# KiCad board board_deltaRenumBack.kicad_pcb (continued)
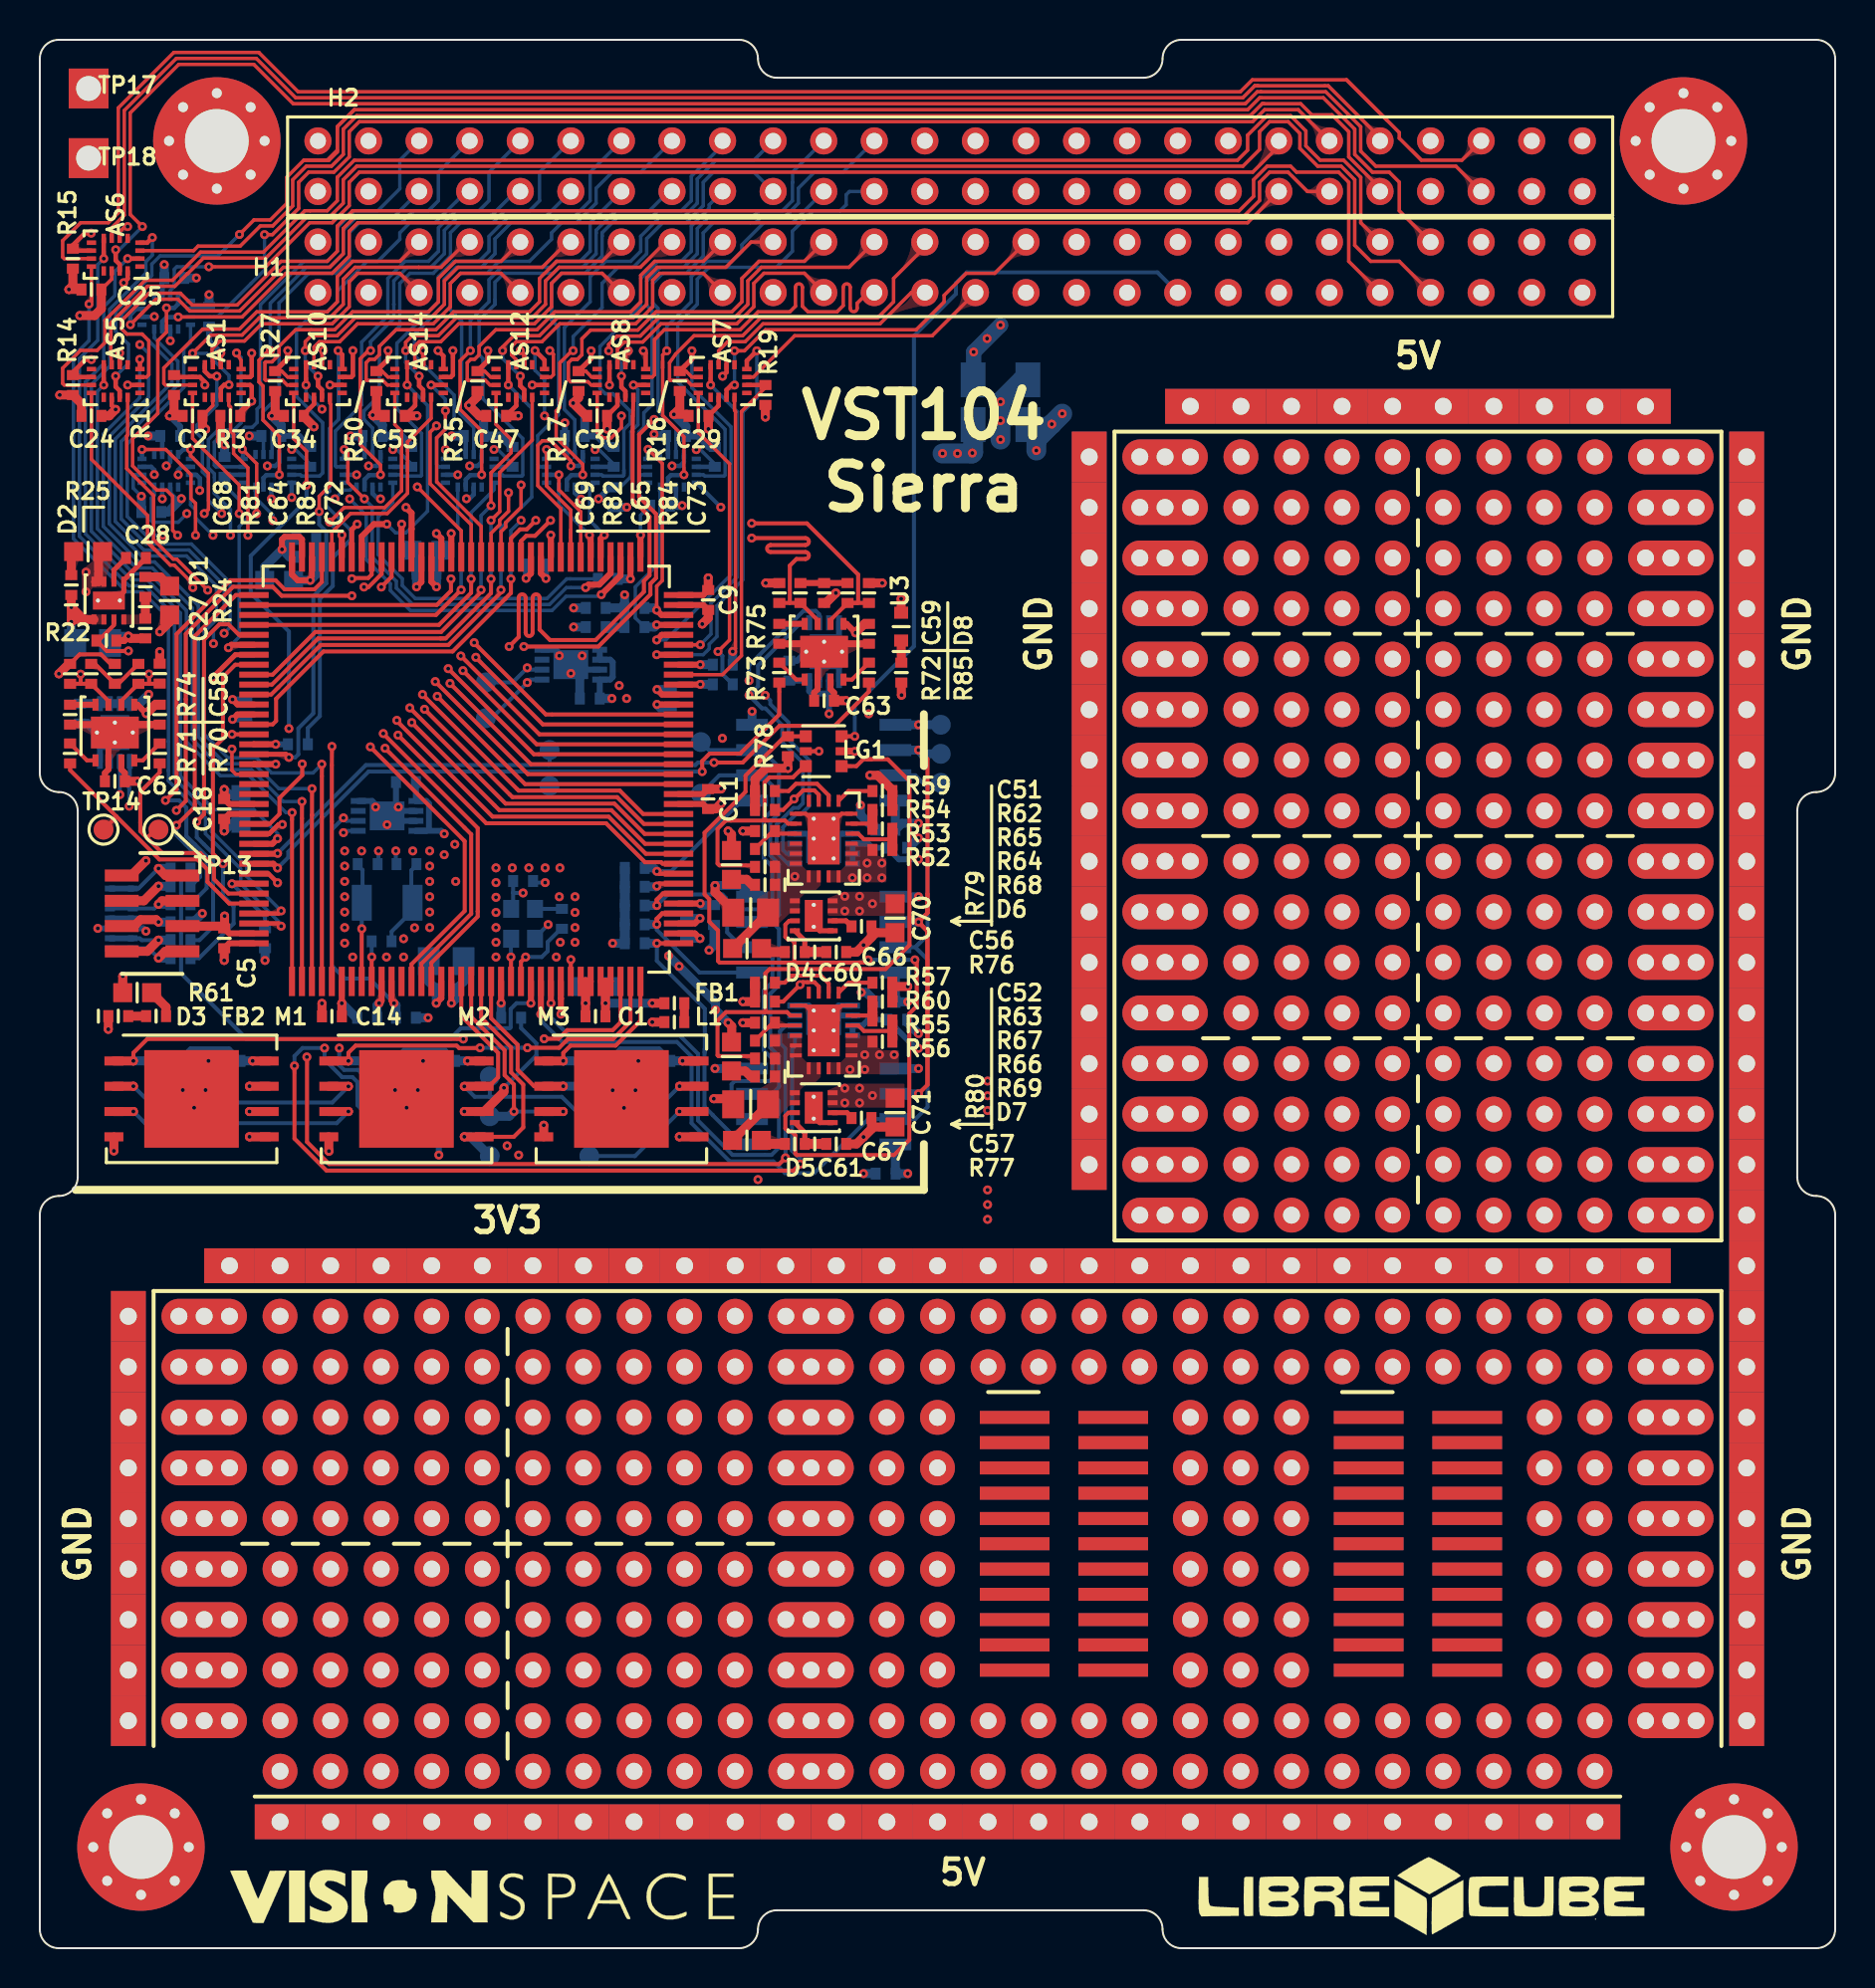
[diagram p0: board, top side]
## Routing (per net, layer and track width the routed paths; a pad name or vN(x,y) marks a point on that pad's centre or on a via; arc(x,y) is an arc through that point) (continued)
UART_RCS_2_TX: length 20.1
  Bottom w0.173: AS13.15 28.21,74.03 28.28,73.97 29.29,73.97 29.33,74.01 29.33,74.26 ; 29.33,74.26 29.33,74.11 ; 29.33,74.26 29.33,76.3 29.65,76.62 29.65,77.23 28.78,78.1 28.4,78.1 28.13,78.37 28.13,80.47 30.18,82.52 30.18,83.9 31.04,84.76 32.22,84.76 32.72,85.26 32.72,86.53 33.62,87.43 33.62,87.59 H2.17
USER_1_1: length 13.9
  Top w0.173: AS1.3 8.65,79.91 8.65,80.36 9.04,80.75 10.28,80.75 11.14,81.62 14.68,81.62 15.54,82.47 15.54,83.73 15.96,84.15 18.08,84.15 H1.5
USER_1_2: length 18.4
  Top w0.173: H1.6 18.08,84.76 15.71,84.76 14.94,83.99 14.94,82.72 14.44,82.22 10.9,82.22 10.03,81.35 8.18,81.35 6.23,79.4 6.23,78.62 6.31,78.54 AS1.7
USER_1_4: length 20.8
  Top w0.173: H1.8 21.42,85.72 20.15,84.45 19.04,84.45 19.03,84.46 15.83,84.46 15.24,83.86 15.24,82.6 14.56,81.92 11.02,81.92 10.15,81.05 8.59,81.05 v1(7.67,80.13)
  Top w0.225: AS1.11 9.09,78.38 9.26,78.55 v1(9.5,78.55)
  Bottom w0.173: v1(9.5,78.55) 9.5,79.02 8.39,80.13 v1(7.67,80.13) 7.75,80.13
USER_2_1: length 21.5
  Top w0.173: 11.11,79.89 11.01,79.79 11.01,78.69 11.21,78.49 11.21,76.78 12.03,75.96 v1(12.03,74.03) ; 11.11,79.89 11.49,80.27 v1(11.58,80.27) ; 11.11,79.89 11.36,80.14
  Bottom w0.173: H2.5 17.78,86.99 15.91,86.99 15.24,86.32 15.24,85.13 14.56,84.45 13.38,84.45 11.58,82.65 v1(11.58,80.27)
  Bottom w0.225: v1(12.03,74.03) 12.01,74.01 11.37,74.01 11.23,73.87 AS2.3
USER_2_2: length 24.1
  Bottom w0.173: H2.6 18.08,89.84 18.08,88.4 16.97,87.29 15.79,87.29 14.94,86.44 14.94,85.26 14.44,84.76 13.26,84.76 11.08,82.58 11.08,77.49 10.91,77.32 10.91,76.66 10.67,76.42 10.31,76.42 9.87,75.98 9.07,75.98 8.77,75.68 8.77,74.51 8.85,74.43 AS2.7
USER_2_4: length 22.7
  Bottom w0.173: AS2.11 11.67,75.08 11.67,76.32 11.21,76.78 11.21,77.2 12.01,78 12.01,82.66 13.5,84.15 14.85,84.15 15.54,84.85 15.54,86.19 16.04,86.69 18.16,86.69 18.76,87.3 19.52,87.3 20.02,87.8 20.02,89.23 H2.8
USER_3_1: length 69
  In2.Cu w0.173: v1(8.03,73.24) 8.31,73.52 8.31,75.64 7.85,76.1 7.85,79.24 8.45,79.84 8.45,80.16 9.02,80.73 10.81,80.73 11.39,81.32 14.81,81.32 15.7,82.21 16.94,82.21 17.48,82.74 17.48,85.76 19,87.28 57.05,87.28 58.12,86.21 58.12,85.86 59.83,84.15 61.26,84.15 H1.39
  Bottom w0.225: v1(8.03,73.24) 8.03,73.32 8.04,73.33 8.04,73.85 7.86,74.03 AS3.15
USER_3_2: length 72.2
  In2.Cu w0.173: H1.40 61.26,86.7 58.98,86.7 58.12,87.55 58.12,88.79 57.68,89.23 18.58,89.23 18.08,88.73 18.08,87.55 17.22,86.69 16.04,86.69 15.54,86.19 15.54,82.47 14.68,81.62 11.27,81.62 10.68,81.03 8.9,81.03 8.15,80.29 8.15,79.96 7.55,79.36 7.55,75.98 8.01,75.52 8.01,74.44 6.83,73.26 6.59,73.26 v1(6.15,72.82)
  Bottom w0.225: AS3.3 v1(6.15,72.82)
USER_3_3: length 75.8
  In2.Cu w0.173: v1(6.35,74.48) 6.35,75.58 7.02,76.25 7.02,80.13 8.22,81.33 10.56,81.33 11.14,81.92 14.56,81.92 15.24,82.6 15.24,86.31 15.92,86.99 17.1,86.99 17.78,87.68 17.78,88.85 18.46,89.54 57.96,89.54 58.42,89.07 58.42,87.68 59.1,87 63.07,87 63.8,86.27 63.8,84.15 H1.41
  Bottom w0.225: v1(6.35,74.48) 6.55,74.68 AS3.11
USER_3_4: length 74.9
  In2.Cu w0.173: H1.42 63.2,87.3 59.22,87.3 58.72,87.8 58.72,89.2 58.08,89.84 18.34,89.84 17.48,88.98 17.48,87.8 16.97,87.29 15.8,87.29 14.94,86.44 14.94,82.72 14.44,82.22 11.02,82.22 10.43,81.63 8.1,81.63 6.72,80.25 6.72,78.13 6.07,77.48 6.07,75.97 5.75,75.64 v1(5.75,74.04)
  Bottom w0.225: AS3.7 5.59,74.43 5.75,74.27 v1(5.75,74.04)
USER_4_1: length 59.9
  Top w0.173: H2.39 60.66,86.7 15.97,86.7 15.54,86.27 15.54,85.01 14.68,84.16 12.36,84.16 10.16,81.96 v1(6.95,81.96)
  Bottom w0.225: v1(6.95,81.96) 6.94,81.95 6.37,81.95 6.15,81.73 AS4.3
USER_4_2: length 60.4
  Top w0.173: H2.40 62.23,90.55 60.92,89.23 16.04,89.23 15.54,88.73 15.54,87.55 14.68,86.7 13.56,86.7 11.34,84.48 v1(8.49,84.48)
  Bottom w0.173: v1(8.49,84.48) 6.88,84.48 6.75,84.35 6.75,83.49 6.55,83.29 AS4.11
USER_4_3: length 68.5
  Top w0.173: v1(4.55,81.57) 5.18,82.2 5.18,82.2 ; 4.95,81.97 5.18,82.2 ; 5.18,82.2 5.83,82.85 6.94,82.85 7.53,82.26 10.04,82.26 12.23,84.46 14.56,84.46 15.24,85.14 15.24,86.4 15.83,87 60.45,87 61.26,87.81 61.26,88.73 61.76,89.23 62.7,89.23 63.66,88.26 H2.41
  Bottom w0.173: v1(4.55,81.57) 4.55,82.11 4.8,82.37 AS4.7
  Bottom w0.225: 4.65,82.18 4.84,82.37 AS4.7 ; 4.65,82.18 4.55,82.08 v1(4.55,81.57) ; 4.65,82.18 4.57,82.1
USER_4_4: length 64.8
  Top w0.173: H2.42 63.2,92.37 61.52,92.37 60.92,91.77 16.04,91.77 15.54,91.27 15.54,90 14.77,89.23 13.5,89.23 13,88.73 13,87.41 11.68,86.09 v1(11.29,86.09)
  Bottom w0.173: AS4.15 8.93,81.97 ; v1(11.29,86.09) 11.29,84.32 8.93,81.97 ; 8.93,81.97 9.01,82.05
USER_5_1: length 77.3
  Top w0.173: H1.43 65.74,84.76 65.74,88.73 65.24,89.23 63.12,89.23 62.82,89.53 61.64,89.53 60.96,88.85 60.96,88.02 60.24,87.3 15.71,87.3 14.94,86.53 14.94,85.26 14.44,84.76 12.11,84.76 9.91,82.56 7.65,82.56 7.06,83.15 5.48,83.15 4.11,81.78 4.11,81.36 4.37,81.1 5.14,81.1 5.47,80.77 5.47,79.06 5.36,78.94 AS5.15
USER_5_2: length 79.9
  Top w0.173: AS5.7 1.23,78.54 1.15,78.62 1.15,79.39 2.04,80.28 2.88,80.28 3.27,80.67 3.27,81.79 5.28,83.8 6.66,83.8 8.07,85.22 11.23,85.22 13.31,87.3 14.44,87.3 14.94,87.8 14.94,88.98 14.94,88.98 15.8,89.83 60.15,89.83 60.66,90.34 60.66,91.09 61.64,92.07 62.82,92.07 63.59,91.31 63.59,90.55 64.3,89.84 65.48,89.84 66.34,88.98 66.34,86.69 H1.44
USER_5_3: length 79.7
  Top w0.173: H1.45 68.28,84.76 66.84,84.76 66.04,85.56 66.04,88.85 65.36,89.53 64.18,89.53 63.29,90.43 63.29,91.18 62.7,91.77 61.76,91.77 61.26,91.27 61.26,90.37 60.42,89.53 15.92,89.53 15.24,88.85 15.24,87.68 14.56,87 13.43,87 11.35,84.92 8.21,84.92 7.42,84.13 7.41,84.13 6.78,83.5 5.41,83.5 3.57,81.67 3.57,80 AS5.3
USER_5_4: length 86.1
  Top w0.173: 14.94,91.52 14.94,90.25 14.52,89.83 13.26,89.83 ; 14.94,91.52 14.94,90.34 14.44,89.84 13.26,89.84 12.4,88.98 12.4,87.66 11.57,86.83 10.75,86.83 10.75,86.83 v1(10.03,86.1) ; 14.94,91.52 15.8,92.37 ; 14.94,91.52 15.8,92.37 ; 15.8,92.37 60.67,92.37 61.27,92.97 64.46,92.97 66.04,91.39 66.04,90.13 66.93,89.23 67.78,89.23 68.28,88.73 68.28,87.3 H1.46
  Top w0.225: AS5.11 4.01,78.25 3.81,78.45 v1(3.81,78.99)
  Bottom w0.173: v1(3.81,78.99) 4.45,79.63 4.45,80.6 3.81,81.24 3.81,82.22 5.63,84.04 5.63,84.61 6.04,85.03 8.95,85.03 v1(10.03,86.1)
USER_6_1: length 69.6
  Top w0.173: H2.43 67.31,88.43 65.74,90 65.74,91.27 64.89,92.11 63.88,92.11 63.33,92.67 61.48,92.67 ; 61.48,92.67 61.39,92.67 ; 61.48,92.67 61.39,92.67 ; 61.39,92.67 60.79,92.07 15.92,92.07 15.24,91.39 15.24,90.13 14.65,89.53 13.38,89.53 12.7,88.85 12.7,87.54 11.7,86.53 11.07,86.53 10.06,85.52 7.95,85.52 7.72,85.29 AS6.15
USER_6_2: length 73.3
  Top w0.173: 61.02,93.57 61.17,93.57 ; 61.02,93.57 61.17,93.57 ; 61.02,93.57 60.42,92.97 12.85,92.97 10.87,94.95 6.85,94.95 4.24,92.34 4.24,87.07 3.61,86.44 AS6.3 ; H2.44 67.31,90.97 64.71,93.57 61.17,93.57
USER_6_3: length 81.7
  Top w0.173: H2.47 71.12,89.53 67.1,89.53 66.34,90.29 66.34,91.52 64.58,93.27 61.14,93.27 60.54,92.67 12.73,92.67 10.75,94.65 6.98,94.65 4.54,92.21 4.54,87.11 v1(5.15,86.5)
  Top w0.225: v1(3.81,85.34) 3.81,84.8 4.01,84.6 AS6.11
  Bottom w0.173: v1(3.81,85.34) 3.99,85.34 v1(5.15,86.5)
USER_6_4: length 87.4
  Top w0.127: 67.65,91.86 67.65,91.82 ; 68.9,90.35 69.4,89.86
  Top w0.173: 67.65,91.86 65.63,93.87 ; 65.63,93.87 68.28,91.23 68.28,90.94 69.38,89.84 71.42,89.84 H2.48 ; 65.63,93.87 60.9,93.87 60.29,93.27 12.97,93.27 11,95.25 11,95.25 6.73,95.25 3.94,92.46 3.94,87.19 3.44,86.69 2.05,86.69 1.15,85.79 1.15,84.97 1.23,84.89 AS6.7
Net-(C27-Pad1): length 1.2
  Top w0.25: 5.25,66.76 C27.1
  Top w0.45: D1.1 C27.1
Net-(C28-Pad1): length 1.4
  Top w0.25: Q1.6 3.72,69.24 C28.1
Net-(C50-Pad2): length 4.4
  Bottom w0.2: C50.2 18.92,54.42 18.66,54.16 18.66,52.59 Y1.2 18.72,52.13 17.67,51.08 R49.1
Net-(C51-Pad1): length 3.4
  Top w0.2: C51.1 37.61,58.14 37.98,58.5 39.04,58.5 39.62,57.92 EF1.18
Net-(C52-Pad1): length 3.5
  Top w0.2: EF2.18 39.62,48.47 39.23,48.86 37.76,48.86 37.41,48.51 C52.1
Net-(C60-Pad1): length 2.4
  Top w0.25: Q2.4 38.42,50.62 D4.1
  Top w0.5: D4.1 C60.1
Net-(C61-Pad1): length 2.4
  Top w0.25: D5.1 38.42,40.98 Q3.4
  Top w0.5: D5.1 C61.1
Net-(C64-Pad2): length 3.3
  Top w0.2: R81.2 2.77,64.53 C64.2 3.95,63.53 R83.2
  Top w0.3: C64.2 3.67,63.53
Net-(C65-Pad2): length 2.4
  Top w0.3: R84.2 C65.2 R82.2
Net-(C66-Pad1): length 1.1
  Top w0.25: Q2.6 40.49,51.62 C66.1
  Top w0.3: C66.1 40.77,51.39
Net-(C67-Pad1): length 1.1
  Top w0.25: Q3.6 40.54,41.98 40.82,41.7
Net-(D1-Pad2): length 1.4
  Top w0.45: D1.2 6.06,68.9 6.52,68.44 6.5,68.43
Net-(D2-Pad2): length 1.2
  Top w0.45: R25.2 1.58,70.05 D2.2
Net-(D3-Pad2): length 0.9
  Top w0.45: FB2.2 D3.2
Net-(D4-Pad2): length 1.2
  Top w0.5: D4.2 36.42,50.05 36.25,50.23
Net-(D5-Pad2): length 1.3
  Top w0.5: D5.2 36.42,40.41 R77.1
Net-(D6-Pad2): length 1.3
  Top w0.45: R79.2 35.5,53.7 35.77,53.43 D6.2
Net-(D7-Pad2): length 1.6
  Top w0.45: D7.2 35.7,43.8 35.42,44.08 R80.2 ; 34.75,44.08 34.84,44.16 ; R80.2 34.87,44.2 ; R80.2 34.77,44.1
Net-(D8-Pad1): length 1.3
  Top w0.45: R85.2 D8.1 43.26,65.53
Net-(EF1-Pad3): length 2.5
  Top w0.2: EF1.3 37.05,56 R65.1 36.82,56.13 R64.2
Net-(EF1-Pad14): length 3.3
  Top w0.2: EF1.14 41.1,56 41.39,55.71 42.86,55.71
  Top w0.5: R52.2 R53.1
Net-(EF1-Pad15): length 2
  Top w0.2: EF1.15 41.78,56.5 41.82,56.54
  Top w0.5: R54.1 R53.2
Net-(EF1-Pad17): length 1.9
  Top w0.2: EF1.17 40.61,58.14 R59.2
Net-(EF2-Pad3): length 2.5
  Top w0.2: EF2.3 37.06,46.36 R67.1 36.82,46.5 R66.2
Net-(EF2-Pad14): length 3.2
  Top w0.2: 42.82,46.21 42.69,46.08 41.39,46.08 41.11,46.36 EF2.14
  Top w0.5: R56.1 42.82,45.66
Net-(EF2-Pad15): length 2.7
  Top w0.2: 41.57,46.86 EF2.15 41.67,46.86
  Top w0.5: R57.1 R56.2
Net-(EF2-Pad17): length 1.9
  Top w0.2: EF2.17 40.62,48.51 R60.2
Net-(ESD1-Pad1): length 4.8
  Top w0.45: JC1.2 6.31,53.89 v1(5.96,54.25)
  Bottom w0.2: ESD1.1 4.95,53.24 v1(5.96,54.25)
  Bottom w0.3: ESD1.1 ESD1.14
  Bottom w0.45: R43.1 v1(5.96,54.25)
Net-(ESD1-Pad5): length 9.4
  Top w0.45: v1(4.17,48.84) 4.17,48.83 R61.2 ; v1(5.33,54.64) 4.59,53.89 JC1.1
  In2.Cu w0.45: v1(4.17,48.84) 5.33,50 v1(5.33,51.1) v1(5.33,54.64)
  Bottom w0.3: ESD1.5 5.19,51.24 v1(5.33,51.1)
Net-(ESD1-Pad6): length 5.2
  Top w0.45: v1(5.96,50.65) 5.39,50.08 JC1.7
  Bottom w0.2: v1(5.96,50.65) 5.96,50.65 5.11,50.65 5.02,50.74 ESD1.6
  Bottom w0.3: ESD1.9 ESD1.6
  Bottom w0.45: R47.1 v1(5.96,50.65)
Net-(ESD1-Pad7): length 4.6
  Top w0.45: JC1.8 6.3,50.08 v1(5.96,49.75)
  Bottom w0.2: ESD1.7 5.47,50.24 v1(5.96,49.75)
  Bottom w0.3: ESD1.7 ESD1.8
  Bottom w0.45: v1(5.96,49.75) 5.97,49.74 R48.1
Net-(ESD1-Pad11): length 5.2
  Top w0.45: JC1.5 4.75,51.35 4.75,51.38 5.05,51.68 5.84,51.68 v1(5.96,51.56)
  Bottom w0.2: ESD1.4 5.78,51.74 v1(5.96,51.56)
  Bottom w0.3: ESD1.11 ESD1.4
  Bottom w0.45: R46.1 5.97,51.55 v1(5.96,51.56)
Net-(ESD1-Pad12): length 4.4
  Top w0.45: JC1.4 6.14,52.62 v1(5.96,52.45)
  Bottom w0.2: v1(5.96,52.45) 5.75,52.24 ESD1.3 ESD1.12
  Bottom w0.45: R45.1 v1(5.96,52.45)
Net-(ESD1-Pad13): length 6.1
  Top w0.45: JC1.3 5.23,52.62 v1(5.96,53.36)
  Bottom w0.2: ESD1.2 5.34,52.74 v1(5.96,53.36) 6.56,53.36 R44.1
  Bottom w0.3: ESD1.13 ESD1.2
  Bottom w0.45: R44.1 5.97,53.35 v1(5.96,53.36)
Net-(FB1-Pad1): length 0.9
  Top w0.45: FB1.1 L1.2
Net-(FB2-Pad1): length 1.5
  Top w0.45: R61.1 6.34,47.28 FB2.1
Net-(LG1-Pad4): length 45
  Top w0.2: v1(43.95,49.66) 44.04,49.57 44.04,47.33 43.67,46.96 43.67,40.62 42.9,39.85 38.02,39.85 37.94,39.93 37.94,40.85 37.75,41.04 37.59,41.04 37.44,41.19 37.44,41.82 37.6,41.98 Q3.3 ; Q2.3 37.64,51.62 37.44,51.43 37.44,50.81 37.58,50.67 37.75,50.67 37.9,50.53 37.9,49.61 ; LG1.4 R78.1 37.42,60.89 35.44,58.91 35.44,58.1 33.39,56.05 33.39,52.94 33.62,52.71 33.62,51.57 34.06,51.13 34.06,49.6 34.14,49.52 41.47,49.52 v1(41.61,49.66)
  Bottom w0.2: v1(41.61,49.66) 41.61,49.66 v1(43.95,49.66)
Net-(R6-Pad1): length 1.7
  Top w0.3: U1.124 10.76,60.49 v1(11.85,60.49)
  Bottom w0.3: R6.1 v1(11.85,60.49)
Net-(R7-Pad1): length 1.8
  Top w0.2: v1(23.17,47.48) 23.17,47.48
  Top w0.3: U1.22 v1(23.17,47.48)
  Bottom w0.45: R7.1 23.17,47.48 v1(23.17,47.48)
Net-(R8-Pad1): length 1.7
  Top w0.3: U1.63 33.16,63.49 v1(33.17,63.5)
  Bottom w0.45: R8.1 v1(33.17,63.5)
Net-(R9-Pad1): length 1.7
  Top w0.3: v1(33.17,64.49) 33.17,64.49 U1.65
  Bottom w0.45: v1(33.17,64.49) R9.1
Net-(R12-Pad2): length 1.8
  Top w0.3: U1.41 33.17,52.49 v1(33.17,52.49)
  Bottom w0.45: R12.2 33.25,52.41 v1(33.17,52.49)
Net-(R13-Pad2): length 1.7
  Top w0.3: U1.74 29.67,68.81 v1(29.66,68.8)
  Bottom w0.45: R13.2 v1(29.66,68.8)
Net-(R58-Pad2): length 1.3
  Bottom w0.2: Y2.1 R58.2
Net-(R70-Pad1): length 1.6
  Top w0.2: 4.75,59.68 5.17,59.68 R70.1
Net-(R71-Pad1): length 1.6
  Top w0.2: U2.1 2.37,59.68 R71.1
Net-(R72-Pad1): length 1.6
  Top w0.2: R72.1 40.79,63.74 40.37,63.74
Net-(R73-Pad1): length 1.6
  Top w0.2: R73.1 37.99,63.74 U3.1
Net-(R74-Pad1): length 1.3
  Top w0.3: R74.1 U2.8
Net-(R75-Pad1): length 1.3
  Top w0.3: R75.1 U3.8
Net-(R86-Pad1): length 128.5
  In2.Cu w1: v1(47.6,43.57) v1(47.6,36.62)
  In3.Cu w0.77: UA1.2 49.41,34.29
  In3.Cu w1: v1(48.25,77.7) v1(48.25,76.75) v1(48.25,75.8) 48.25,46.1 47.6,45.45 v1(47.6,43.57) v1(47.6,42.83) v1(47.6,42.09) ; v1(47.6,38.1) v1(47.6,37.36) v1(47.6,36.62) 47.6,35.75 ; 47.6,35.75 49.06,34.29 UA1.2 ; 47.6,35.75 47.6,34.31 ; 47.6,35.75 46.14,34.29 UA1.2 ; UA1.2 UA1.2
  Bottom w1: R86.1 49.35,78.8 v1(48.25,77.7) v1(48.25,75.8)
Net-(R87-Pad1): length 225.2
  In3.Cu w1: UA1.3 UA1.3 11,6.35 8.15,9.2 2.8,9.2 2.25,9.75 2.25,33.6 5,36.35 43.86,36.35 50.05,42.54 v1(50.05,75.25) 50.05,75.8 51.72,77.47 53.34,77.47 ; 53.34,77.47 UA1.3 ; 53.34,77.47 UA1.3
  Bottom w0.77: 49.75,76.53 49.73,76.55 ; 50.8,76.55 R87.1
  Bottom w1: v1(50.83,76.57) v1(51.35,77.1) ; v1(50.83,76.57) 50.8,76.55 ; v1(50.83,76.57) 50.05,75.8 v1(50.05,75.25)

## Copper pours and planes (outline as drawn; the poured copper is in the pictures)
+3V3 on Top: 43.43,53.08 43.43,51.86 39.57,51.87 39.57,52.75 40.34,53.08
+3V3 on Bottom: 19.17,69.21 19.03,69.9 18.7,70.48 18.36,69.9 18.67,69.21
+3V3 on Bottom: 1.36,66.56 1.39,65.97 1.78,65.3 2.16,65.97 1.81,66.56
+3V3 on In3.Cu: -1.27,96.52 42.2,96.52 43.7,92.5 44.45,90.81 44.6,63.48 44.6,48.01 45.4,48.01 45.4,34.3 6.5,34.3 4.8,36.8 2.1,38.7 -1.25,38.7
+5V on Top: 43.43,43.44 43.43,42.23 39.57,42.23 39.57,43.11 40.34,43.44
+5V on In3.Cu: 42.12,43.44 42.12,42.23 39.57,42.23 39.57,43.11 40.34,43.44
GND on Top: 1.86,61.3 1.96,61.27 2.05,61.23 2.14,61.19 2.22,61.15 2.3,61.11 2.38,61.07 2.46,61.03 2.54,60.99 2.61,60.95 2.68,60.91 2.74,60.87 2.8,60.83 2.86,60.79 2.92,60.75 2.97,60.71 3.02,60.67 3.07,60.64 3.12,60.6 3.16,60.56 3.2,60.52 4.17,61.08 3.2,61.64 3.16,61.6 3.12,61.57 3.07,61.54 3.02,61.52 2.97,61.5 2.92,61.48 2.86,61.47 2.8,61.46 2.74,61.45 2.68,61.45 2.61,61.45 2.54,61.46 2.46,61.47 2.38,61.49 2.3,61.5 2.22,61.53 2.14,61.55 2.05,61.58 1.96,61.62 1.86,61.66
GND on Top: 37.48,65.36 37.58,65.33 37.67,65.29 37.76,65.25 37.84,65.21 37.92,65.17 38,65.13 38.08,65.09 38.16,65.05 38.23,65.01 38.3,64.97 38.36,64.93 38.42,64.89 38.48,64.85 38.54,64.81 38.59,64.77 38.64,64.73 38.69,64.7 38.74,64.66 38.78,64.62 38.82,64.58 39.79,65.14 38.82,65.7 38.78,65.66 38.74,65.63 38.69,65.6 38.64,65.58 38.59,65.56 38.54,65.54 38.48,65.53 38.42,65.52 38.36,65.51 38.3,65.51 38.23,65.51 38.16,65.52 38.08,65.53 38,65.55 37.92,65.56 37.84,65.59 37.76,65.61 37.67,65.64 37.58,65.68 37.48,65.72
GND on Top: 41.3,65.72 41.2,65.68 41.11,65.64 41.02,65.61 40.94,65.59 40.86,65.56 40.78,65.55 40.7,65.53 40.62,65.52 40.55,65.51 40.48,65.51 40.42,65.51 40.36,65.52 40.3,65.53 40.24,65.54 40.19,65.56 40.14,65.58 40.09,65.6 40.04,65.63 40,65.66 39.96,65.7 38.99,65.14 39.96,64.58 40,64.62 40.04,64.66 40.09,64.7 40.14,64.73 40.19,64.77 40.24,64.81 40.3,64.85 40.36,64.89 40.42,64.93 40.48,64.97 40.55,65.01 40.62,65.05 40.7,65.09 40.78,65.13 40.86,65.17 40.94,65.21 41.02,65.25 41.11,65.29 41.2,65.33 41.3,65.36
GND on Top: 34,52.65 34.28,52.04 35.02,51.84 34.82,52.58 34.32,52.96
GND on Top: 2.1,61.33 3.2,60.52 4.17,61.08 3.2,61.64 3.16,61.6 3.12,61.57 3.07,61.54 3.03,61.51 2.98,61.49 2.93,61.47 2.88,61.45 2.83,61.44 2.78,61.44 2.72,61.43 2.67,61.43 2.61,61.44 2.55,61.45 2.49,61.46 2.43,61.48 2.37,61.5 2.3,61.53 2.24,61.56 2.17,61.59 2.1,61.63
GND on Top: 5.68,61.66 5.58,61.62 5.49,61.58 5.4,61.55 5.32,61.53 5.24,61.5 5.16,61.49 5.08,61.47 5,61.46 4.93,61.45 4.86,61.45 4.8,61.45 4.74,61.46 4.68,61.47 4.62,61.48 4.57,61.5 4.52,61.52 4.47,61.54 4.42,61.57 4.38,61.6 4.34,61.64 3.37,61.08 4.34,60.52 4.38,60.56 4.42,60.6 4.47,60.64 4.52,60.67 4.57,60.71 4.62,60.75 4.68,60.79 4.74,60.83 4.8,60.87 4.86,60.91 4.93,60.95 5,60.99 5.08,61.03 5.16,61.07 5.24,61.11 5.32,61.15 5.4,61.19 5.49,61.23 5.58,61.27 5.68,61.3
GND on Top: 5.38,61.66 5.31,61.62 5.25,61.58 5.19,61.55 5.13,61.53 5.07,61.5 5.01,61.49 4.95,61.47 4.9,61.46 4.84,61.45 4.79,61.45 4.74,61.45 4.69,61.46 4.64,61.47 4.59,61.48 4.55,61.5 4.5,61.52 4.46,61.54 4.42,61.57 4.38,61.6 4.34,61.64 3.37,61.08 4.34,60.52 5.38,61.3
GND on Top: 1.86,61.3 1.96,61.27 2.05,61.23 2.14,61.19 2.22,61.15 2.3,61.11 2.38,61.07 2.46,61.03 2.54,60.99 2.61,60.95 2.68,60.91 2.74,60.87 2.8,60.83 2.86,60.79 2.92,60.75 2.97,60.71 3.02,60.67 3.07,60.64 3.12,60.6 3.16,60.56 3.2,60.52 4.17,61.08 3.2,61.64 3.16,61.6 3.12,61.57 3.07,61.54 3.02,61.52 2.97,61.5 2.92,61.48 2.86,61.47 2.8,61.46 2.74,61.45 2.68,61.45 2.61,61.45 2.54,61.46 2.46,61.47 2.38,61.49 2.3,61.5 2.22,61.53 2.14,61.55 2.05,61.58 1.96,61.62 1.86,61.66
GND on Top: 5.38,61.66 5.31,61.62 5.25,61.58 5.19,61.55 5.13,61.53 5.07,61.5 5.01,61.49 4.95,61.47 4.9,61.46 4.84,61.45 4.79,61.45 4.74,61.45 4.69,61.46 4.64,61.47 4.59,61.48 4.55,61.5 4.5,61.52 4.46,61.54 4.42,61.57 4.38,61.6 4.34,61.64 3.37,61.08 4.34,60.52 5.38,61.3
GND on Top: 38.4,47.29 38.57,46.12 39.65,45.83 39.36,46.91 39.3,46.91 39.24,46.91 39.18,46.92 39.12,46.93 39.07,46.94 39.02,46.95 38.97,46.97 38.92,46.99 38.88,47.01 38.83,47.04 38.79,47.06 38.76,47.09 38.72,47.13 38.69,47.16 38.66,47.2 38.63,47.24 38.6,47.28 38.58,47.33 38.56,47.38 38.54,47.43
GND on Top: 40.2,47.43 40.18,47.38 40.16,47.33 40.14,47.28 40.11,47.24 40.08,47.2 40.05,47.16 40.02,47.13 39.98,47.09 39.95,47.06 39.91,47.04 39.86,47.01 39.82,46.99 39.77,46.97 39.72,46.95 39.67,46.94 39.62,46.93 39.56,46.92 39.5,46.91 39.44,46.91 39.38,46.91 39.09,45.83 40.17,46.12 40.34,47.29
GND on Top: 40.2,57.07 40.18,57.02 40.16,56.97 40.14,56.92 40.11,56.88 40.08,56.84 40.05,56.8 40.02,56.77 39.98,56.73 39.95,56.7 39.91,56.68 39.86,56.65 39.82,56.63 39.77,56.61 39.72,56.59 39.67,56.58 39.62,56.57 39.56,56.56 39.5,56.55 39.44,56.55 39.38,56.55 39.09,55.47 40.17,55.76 40.34,56.93
GND on Top: 38.4,56.93 38.57,55.76 39.65,55.47 39.36,56.55 39.3,56.55 39.24,56.55 39.18,56.56 39.12,56.57 39.07,56.58 39.02,56.59 38.97,56.61 38.92,56.63 38.88,56.65 38.83,56.68 38.79,56.7 38.76,56.73 38.72,56.77 38.69,56.8 38.66,56.84 38.63,56.88 38.6,56.92 38.58,56.97 38.56,57.02 38.54,57.07
GND on Top: 3.59,59.68 4.33,60.51 3.77,61.48 3.21,60.51 3.25,60.47 3.28,60.43 3.32,60.39 3.34,60.35 3.37,60.31 3.39,60.27 3.41,60.22 3.42,60.18 3.43,60.14 3.44,60.1 3.44,60.06 3.44,60.02 3.43,59.98 3.42,59.93 3.41,59.89 3.4,59.85 3.38,59.81 3.35,59.77 3.33,59.72 3.3,59.68
GND on Top: 39.22,63.74 39.95,64.57 39.39,65.54 38.83,64.57 38.87,64.53 38.9,64.49 38.94,64.45 38.96,64.41 38.99,64.37 39.01,64.33 39.03,64.28 39.04,64.24 39.05,64.2 39.06,64.16 39.06,64.12 39.06,64.08 39.05,64.04 39.04,63.99 39.03,63.95 39.02,63.91 39,63.87 38.97,63.83 38.95,63.78 38.92,63.74
GND on Top: 41.3,65.72 41.2,65.68 41.11,65.64 41.02,65.61 40.94,65.59 40.86,65.56 40.78,65.55 40.7,65.53 40.62,65.52 40.55,65.51 40.48,65.51 40.42,65.51 40.36,65.52 40.3,65.53 40.24,65.54 40.19,65.56 40.14,65.58 40.09,65.6 40.04,65.63 40,65.66 39.96,65.7 38.99,65.14 39.96,64.58 40,64.62 40.04,64.66 40.09,64.7 40.14,64.73 40.19,64.77 40.24,64.81 40.3,64.85 40.36,64.89 40.42,64.93 40.48,64.97 40.55,65.01 40.62,65.05 40.7,65.09 40.78,65.13 40.86,65.17 40.94,65.21 41.02,65.25 41.11,65.29 41.2,65.33 41.3,65.36
GND on Top: 37.48,65.36 37.58,65.33 37.67,65.29 37.76,65.25 37.84,65.21 37.92,65.17 38,65.13 38.08,65.09 38.16,65.05 38.23,65.01 38.3,64.97 38.36,64.93 38.42,64.89 38.48,64.85 38.54,64.81 38.59,64.77 38.64,64.73 38.69,64.7 38.74,64.66 38.78,64.62 38.82,64.58 39.79,65.14 38.82,65.7 38.78,65.66 38.74,65.63 38.69,65.6 38.64,65.58 38.59,65.56 38.54,65.54 38.48,65.53 38.42,65.52 38.36,65.51 38.3,65.51 38.23,65.51 38.16,65.52 38.08,65.53 38,65.55 37.92,65.56 37.84,65.59 37.76,65.61 37.67,65.64 37.58,65.68 37.48,65.72
GND on Top: 5.68,61.66 5.58,61.62 5.49,61.58 5.4,61.55 5.32,61.53 5.24,61.5 5.16,61.49 5.08,61.47 5,61.46 4.93,61.45 4.86,61.45 4.8,61.45 4.74,61.46 4.68,61.47 4.62,61.48 4.57,61.5 4.52,61.52 4.47,61.54 4.42,61.57 4.38,61.6 4.34,61.64 3.37,61.08 4.34,60.52 4.38,60.56 4.42,60.6 4.47,60.64 4.52,60.67 4.57,60.71 4.62,60.75 4.68,60.79 4.74,60.83 4.8,60.87 4.86,60.91 4.93,60.95 5,60.99 5.08,61.03 5.16,61.07 5.24,61.11 5.32,61.15 5.4,61.19 5.49,61.23 5.58,61.27 5.68,61.3
GND on Top: 2.1,61.33 3.2,60.52 4.17,61.08 3.2,61.64 3.16,61.6 3.12,61.57 3.07,61.54 3.03,61.51 2.98,61.49 2.93,61.47 2.88,61.45 2.83,61.44 2.78,61.44 2.72,61.43 2.67,61.43 2.61,61.44 2.55,61.45 2.49,61.46 2.43,61.48 2.37,61.5 2.3,61.53 2.24,61.56 2.17,61.59 2.1,61.63
GND on Bottom: 17.74,58.59 16.93,57.41 17.44,56.53 17.95,57.41 17.91,57.44 17.88,57.48 17.86,57.52 17.84,57.57 17.82,57.61 17.81,57.66 17.8,57.71 17.79,57.77 17.79,57.82 17.79,57.88 17.8,57.94 17.81,58 17.82,58.07 17.84,58.13 17.87,58.2 17.89,58.28 17.92,58.35 17.96,58.43 18,58.51 18.04,58.59
GND on Bottom: 20.17,69.21 20.48,69.9 20.14,70.48 19.81,69.9 19.67,69.21
GND on Bottom: 27.34,62.83 27.3,62.92 27.26,63 27.23,63.08 27.19,63.15 27.17,63.23 27.14,63.3 27.12,63.36 27.1,63.43 27.09,63.49 27.08,63.55 27.07,63.6 27.07,63.66 27.07,63.71 27.07,63.75 27.08,63.8 27.09,63.84 27.11,63.88 27.13,63.91 27.15,63.94 27.18,63.97 26.67,64.85 26.16,63.97 26.89,62.83
GND on Bottom: 40.03,66 39.4,65.86 39.13,64.88 40.11,65.15 40.25,65.78
GND on Bottom: 39.29,63.69 39.9,64.62 39.39,65.5 38.88,64.62 38.92,64.59 38.95,64.55 38.98,64.51 39,64.47 39.02,64.43 39.04,64.39 39.06,64.35 39.07,64.3 39.08,64.26 39.09,64.21 39.09,64.17 39.09,64.12 39.09,64.07 39.09,64.02 39.08,63.97 39.07,63.91 39.05,63.86 39.03,63.8 39.01,63.75 38.99,63.69
GND on Bottom: 19.87,42.57 18.93,43.18 18.05,42.67 18.93,42.16 18.97,42.2 19.01,42.23 19.04,42.26 19.08,42.28 19.12,42.31 19.16,42.32 19.21,42.34 19.25,42.35 19.29,42.36 19.34,42.37 19.39,42.37 19.44,42.37 19.49,42.37 19.54,42.37 19.59,42.36 19.64,42.35 19.7,42.33 19.75,42.32 19.81,42.3 19.87,42.27
GND on Bottom: 40.25,64.5 40.11,65.13 39.13,65.4 39.4,64.42 40.03,64.28
GND on Bottom: 40.82,47.01 40.76,46.99 40.71,46.97 40.65,46.95 40.6,46.93 40.54,46.92 40.49,46.91 40.44,46.91 40.39,46.91 40.34,46.91 40.3,46.91 40.25,46.92 40.21,46.93 40.16,46.94 40.12,46.96 40.08,46.98 40.04,47 40,47.02 39.96,47.05 39.92,47.08 39.89,47.12 39.01,46.61 39.89,46.1 40.82,46.71
GND on Bottom: 18.89,56.79 17.96,57.4 17.08,56.89 17.96,56.38 17.99,56.42 18.03,56.45 18.07,56.48 18.11,56.5 18.15,56.52 18.19,56.54 18.23,56.56 18.28,56.57 18.32,56.58 18.37,56.59 18.41,56.59 18.46,56.59 18.51,56.59 18.56,56.59 18.61,56.58 18.67,56.57 18.72,56.55 18.78,56.53 18.83,56.51 18.89,56.49
GND on Bottom: 18.89,57.29 18.83,57.27 18.78,57.25 18.72,57.23 18.67,57.21 18.61,57.2 18.56,57.19 18.51,57.19 18.46,57.19 18.41,57.19 18.37,57.19 18.32,57.2 18.28,57.21 18.23,57.22 18.19,57.24 18.15,57.26 18.11,57.28 18.07,57.3 18.03,57.33 17.99,57.36 17.96,57.4 17.08,56.89 17.96,56.38 18.89,56.99
GND on Bottom: 17.74,58.59 16.93,57.41 17.44,56.53 17.95,57.41 17.91,57.44 17.88,57.48 17.86,57.52 17.84,57.57 17.82,57.61 17.81,57.66 17.8,57.71 17.79,57.77 17.79,57.82 17.79,57.88 17.8,57.94 17.81,58 17.82,58.07 17.84,58.13 17.87,58.2 17.89,58.28 17.92,58.35 17.96,58.43 18,58.51 18.04,58.59
GND on Bottom: 16.58,57.53 16.72,56.9 17.7,56.63 17.43,57.61 16.8,57.75
GND on Bottom: 25.81,65.13 25.95,64.5 26.93,64.23 26.66,65.21 26.03,65.35
GND on Bottom: 28.12,64.39 27.19,65 26.31,64.49 27.19,63.98 27.22,64.02 27.26,64.05 27.3,64.08 27.34,64.1 27.38,64.12 27.42,64.14 27.46,64.16 27.51,64.17 27.55,64.18 27.6,64.19 27.64,64.19 27.69,64.19 27.74,64.19 27.79,64.19 27.84,64.18 27.9,64.17 27.95,64.15 28.01,64.13 28.06,64.11 28.12,64.09
GND on Bottom: 27.34,62.81 27.3,62.89 27.26,62.98 27.23,63.06 27.19,63.14 27.17,63.21 27.14,63.29 27.12,63.35 27.1,63.42 27.09,63.48 27.08,63.54 27.07,63.6 27.07,63.65 27.07,63.7 27.07,63.75 27.08,63.8 27.09,63.84 27.11,63.88 27.13,63.91 27.15,63.94 27.18,63.97 26.67,64.85 26.16,63.97 26.89,62.81
GND on In1.Cu: -1.27,96.52 91.44,96.52 91.44,-1.27 -1.27,-1.27